# Altium PCB KeyBoard.PcbDoc (continued)
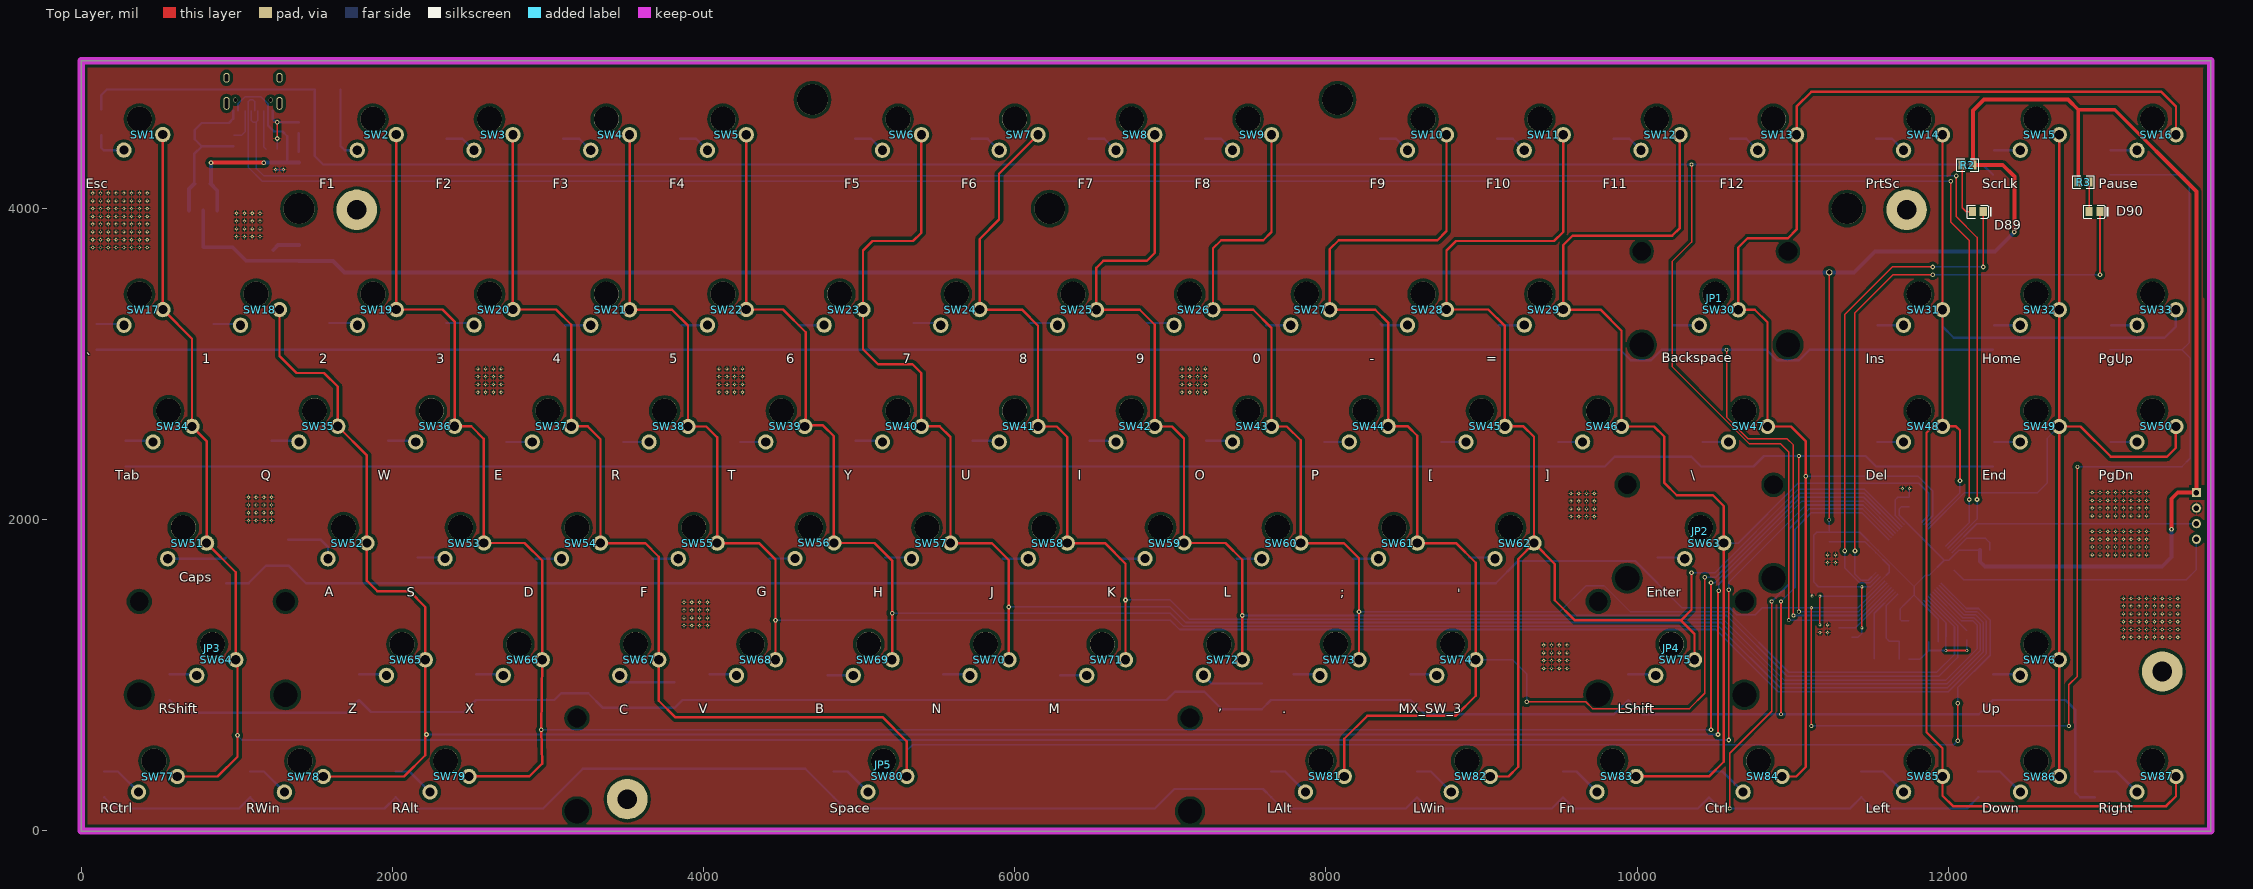
[diagram p0: Top Layer view]
## Nets (pads, with @x,y where several pads share a name; then routed paths per layer and width w, separated by ;. In a path a pad name is that pad's centre, name@x,y a point inside that pad or via, vN(x,y) a via of type N, cw(c..) or ccw(c..) an arc to the next point about the centre after c; other vN are vias at no path point)
3.3V: C2.1 C3.2 C4.2 C5.2 C6.2 C7.2 C8.2 C9.2 C10.2 JP6.1 R2.1 R3.1 R4.2 U1.1 U1.13 U1.19 U1.32 U1.48 U1.64 VR1.2 | length 24376.8
  Top Layer w10: v3(11234.76,2000) v5(11234.76,3590) ; v1(11444.76,1305) v1(11444.76,1570)
  Top Layer w25: v2(12424.76,3850) 12424.76,4205 12349.76,4280 R2.1 12159.8,4630.04 12229.76,4700 12769.76,4700 12834.72,4635.04 ; R3.1 12834.72,4635.04 ; v2(13434.76,1940) 13434.76,2135 13474.76,2175 JP6.1 13594.76,4110 13069.72,4635.04 12834.72,4635.04
  Bottom Layer w10: v3(11234.76,2000) C6.2 ; R4.2 11419.44,1244.68 11444.76,1270 v1(11444.76,1305) ; U1.13 11499.8,1570.32 C10.2 C9.2 11164.44,1570.32 11134.76,1600 11134.76,1900 11155.07,1920.32 C6.2 ; C7.2 11699.76,1350 11689.76,1360 11689.76,1426.21 U1.1 11779.76,1516.21 ; C5.2@11749.76,2084.68 11699.44,2084.68 11684.76,2070 11684.76,2028.79 U1.32 11973.55,1740 ; C8.2@11935.07,1215 11935.07,1360.89 U1.64 11779.76,1516.21 ; C4.2 12068.55,1805 U1.48 12003.55,1740 11973.55,1740 ; C6.2 11431.33,1920.32 U1.19 11779.76,1571.89 ; 11779.76,1516.21 11779.76,1571.89 ; 11779.76,1571.89 11852.87,1645 11878.55,1645 11973.55,1740
  Bottom Layer w25: VR1.2@784.76,3988.11 784.76,3751.89 972.87,3751.89 1059.8,3664.96 C3.2 C2.1@1398.22,3664.96 ; C2.1 1618.18,3663.43 1691.61,3590 v5(11234.76,3590) 11394.76,3590 11529.76,3725 12299.76,3725 v2(12424.76,3850) ; C4.2 12204.44,1730.32 12234.76,1700 13374.76,1700 13434.76,1760 v2(13434.76,1940)
5V: C1.1 J1.2 J1.11 R1.1 VR1.3 | length 1629.2
  Top Layer w25: v2(834.76,4295) v2(1174.76,4295)
  Bottom Layer w10: J1.2 1008.3,4673.54 1054.76,4720 1154.76,4720 1201.21,4673.54 J1.11
  Bottom Layer w15: C1.1 C1.1@834.76,4163.43 ; J1.11 1201.21,4533.54 1239.76,4495 1294.76,4495 1324.76,4465 1324.76,4295
  Bottom Layer w25: C1.1 875.31,4116.02 VR1.3 ; C1.1@834.76,4163.43 v2(834.76,4295) ; v2(1174.76,4295) 1324.76,4295 R1.1
BOOT0: R5.1 U1.60 | length 329.3
  Bottom Layer w10: U1.60 R5.1@12118.38,1288.94
COL1: SW1.1 SW17.1 SW34.1 SW51.1 SW64.1 SW77.1 U1.26 | length 16592.3
  Top Layer w10: v2(10589.76,585) v2(10589.76,1550)
  Top Layer w15: SW1.1 525.06,3351.1 SW17.1 712.66,3163.5 SW34.1 806.56,2506.6 SW51.1 993.66,1662.9 SW64.1 1004.76,1088.9 v2(1004.76,615) 1004.76,477.8 877.16,350.2 SW77.1
  Bottom Layer w10: v2(1004.76,615) 1003.66,615 1033.66,585 v2(10589.76,585) ; v2(10589.76,1550) 10589.76,1600 11084.76,2095 11451.51,2095 U1.26
COL2: SW18.1 SW35.1 SW52.1 SW65.1 SW78.1 U1.27 | length 14899.4
  Top Layer w10: v2(10519.76,620) 10519.76,1540 v2(10524.76,1545)
  Top Layer w15: SW18.1 1274.56,3053 1383.76,2943.8 1561.96,2943.8 1649.76,2856 SW35.1 1836.56,2413.8 SW52.1 1836.56,1608.5 1903.26,1541.8 2109.66,1541.8 2212.06,1439.4 SW65.1 2212.06,487.2 2074.76,349.9 SW78.1
  Bottom Layer w10: v2(2219.76,620) v2(10519.76,620) ; v2(10524.76,1545) 10524.76,1585 11059.76,2120 11454.35,2120 U1.27 U1.27@11660.05,1914.71
COL3: SW2.1 SW19.1 SW36.1 SW53.1 SW66.1 SW79.1 U1.28 | length 15304.1
  Top Layer w10: v2(10474.76,650) v2(10474.76,1595)
  Top Layer w15: SW2.1 2025.26,3351.1 2322.66,3351.1 2400.26,3273.5 SW36.1 2507.56,2600.6 2588.16,2520 SW53.1 2850.16,1850.5 2963.06,1737.6 SW66.1 v2(2958.06,650) 2963.06,433.2 2880.66,350.8 SW79.1
  Bottom Layer w10: v2(2958.06,650) v2(10474.76,650) ; v2(10474.76,1595) 10499.76,1595 11049.76,2145 11457.19,2145 U1.28
COL4: SW3.1 SW20.1 SW37.1 SW54.1 SW67.1 SW80.1 U1.55 | length 14565.9
  Top Layer w10: v2(12059.76,580) v2(12059.76,820)
  Top Layer w15: SW3.1 2774.86,3351.8 3051.26,3351.8 3149.86,3253.2 SW37.1 3255.46,2600.2 3337.56,2518.1 SW54.1 3625.06,1850.1 3712.16,1763 SW67.1 3712.16,837.6 3819.76,730 5152.76,730 5306.66,576.1 SW80.1
  Bottom Layer w10: SW80.1 5306.66,516.9 5344.76,555 12034.76,555 v2(12059.76,580) ; U1.55 12116.51,1430 12194.76,1430 12269.76,1355 12269.76,1130 12059.76,920 v2(12059.76,820)
COL5: SW4.1 SW21.1 SW38.1 SW55.1 SW68.1 U1.56 | length 12832.4
  Top Layer w15: SW4.1 3524.96,3350.5 3797.56,3350.5 3900.26,3247.8 SW38.1 4018.26,2600.1 4087.56,2530.8 SW55.1 4357.36,1850.1 4462.26,1745.2 v2(4462.26,1355) SW68.1
  Bottom Layer w10: v2(4462.26,1355) 6999.76,1355 7059.76,1295 10504.76,1295 10904.76,895 11999.76,895 12244.76,1140 12244.76,1350 12184.76,1410 12108.68,1410 U1.56
COL6: SW5.1 SW22.1 SW39.1 SW56.1 SW69.1 U1.57 | length 12006.4
  Top Layer w15: SW5.1 4275.06,3351.3 4510.36,3351.3 4656.56,3205.1 4656.56,2606.8 4768.36,2606.8 4837.96,2537.2 SW56.1 5099.76,1851 5212.26,1738.5 v2(5212.26,1400) SW69.1
  Bottom Layer w10: v2(5212.26,1400) 6999.76,1400 7084.76,1315 10524.76,1315 10919.76,920 11994.76,920 12224.76,1150 12224.76,1340 12174.76,1390 12100.84,1390 U1.57
COL7: SW6.1 SW23.1 SW40.1 SW57.1 SW70.1 U1.58 | length 11513.7
  Top Layer w15: SW6.1 5400.06,3845.3 5346.46,3791.7 5086.46,3791.7 5025.26,3730.5 SW23.1 5025.26,3096 5121.56,2999.7 5343.16,2999.7 5399.96,2942.9 SW40.1 5518.36,2600.2 5587.06,2531.5 SW57.1 5852.16,1850.1 5962.36,1739.9 v2(5962.36,1440) SW70.1
  Bottom Layer w10: v2(5962.36,1440) 6999.76,1440 7099.76,1340 10539.76,1340 10934.76,945 11989.76,945 12204.76,1160 12204.76,1330 12164.76,1370 12093,1370 U1.58
COL8: SW7.1 SW24.1 SW41.1 SW58.1 SW71.1 U1.59 | length 10585.4
  Top Layer w15: 5774.86,3805 SW24.1 6046.26,3350.8 6150.16,3246.9 SW41.1 6269.86,2600.1 6337.56,2532.4 SW58.1 6579.36,1850 6712.46,1716.9 v2(6712.46,1485) SW71.1 ; 5775,3805 5899.4,3929.4 5899.4,4224.14 SW7.1
  Bottom Layer w10: v2(6712.46,1485) 6999.76,1485 7124.76,1360 10554.76,1360 10944.76,970 11984.76,970 12184.76,1170 12184.76,1325 12159.76,1350 12085.16,1350 U1.59
COL9: SW8.1 SW25.1 SW42.1 SW59.1 SW72.1 U1.61 | length 9745.6
  Top Layer w15: SW8.1 6900.16,3715.4 6849.76,3665 6569.76,3665 6524.96,3620.2 SW25.1 6803.56,3350.4 6900.16,3253.8 SW42.1 7010.46,2600.1 7087.76,2522.8 SW59.1 7354.46,1850.7 7462.56,1742.6 v2(7462.56,1385) SW72.1
  Bottom Layer w10: v2(7462.56,1385) 10574.76,1385 10964.76,995 11939.76,995 12059.76,1115 12059.76,1319.73 U1.61
COL10: SW9.1 SW26.1 SW43.1 SW60.1 SW73.1 U1.62 | length 9055.8
  Top Layer w15: SW9.1 7650.26,3850.5 7596.86,3797.1 7326.86,3797.1 7274.56,3744.8 SW26.1 7533.36,3350.4 7650.26,3233.5 SW43.1 7748.46,2600.1 7837.86,2510.7 SW60.1 8114.66,1850.1 8212.16,1752.6 v2(8212.16,1410) SW73.1
  Bottom Layer w10: v2(8212.16,1410) 9504.76,1410 9669.76,1575 9789.76,1575 9954.76,1410 10584.76,1410 10974.76,1020 11924.76,1020 12039.76,1135 12039.76,1311.89 U1.62
COL11: SW10.1 SW27.1 SW44.1 SW61.1 SW74.1 SW81.1 U1.29 | length 10333.9
  Top Layer w10: v2(9289.76,830) 9670.2,830 9713.4,786.8 10336.56,786.8 10434.76,885 v2(10434.76,1630)
  Top Layer w15: SW81.1 8118.26,593 8265.16,739.9 8832.86,739.9 8962.46,869.5 SW74.1 8962.46,1724 8836.46,1850 SW61.1 8587.26,2539.8 8526.76,2600.3 SW44.1 8399.96,3267.7 8317.26,3350.4 SW27.1 8024.36,3739.6 8081.86,3797.1 8716.86,3797.1 8774.86,3855.1 SW10.1
  Bottom Layer w10: SW74.1 9199.46,1100.3 9289.76,1010 v2(9289.76,830) ; v2(10434.76,1630) 10504.76,1630 11044.76,2170 11460.03,2170 U1.29
COL12: SW11.1 SW28.1 SW45.1 SW62.1 SW75.1 SW82.1 U1.30 | length 9033.7
  Top Layer w15: SW82.1 9173.26,350.5 9235.66,412.9 9235.66,1748.5 SW62.1 ; SW11.1 9524.86,3850.1 9466.46,3791.7 8836.46,3791.7 8774.86,3730.1 SW28.1 9043.86,3351 9150.26,3244.6 SW45.1 9269.96,2600.5 9337.16,2533.3 SW62.1 ; v2(10349.76,1660) 10349.76,1421.5 10281.76,1353.5 ; SW75.1 10369.26,1266 10281.76,1353.5 ; SW62.1 9470.76,1716.4 9470.76,1483.3 9600.56,1353.5 10281.76,1353.5
  Bottom Layer w10: v2(10349.76,1660) 10499.76,1660 11034.76,2195 11462.87,2195 U1.30
COL13: SW12.1 SW29.1 SW46.1 SW63.1 SW83.1 U1.33 | length 7853.9
  Top Layer w15: SW83.1 10462.56,350.8 10556.66,444.9 SW63.1 10556.66,2087.9 10487.36,2157.2 10254.76,2157.2 10175.36,2236.6 10175.36,2533.8 10109.06,2600.1 SW46.1 9899.96,3215.4 9764.46,3350.9 SW29.1 9524.96,3765.2 9584.76,3825 10224.76,3825 10274.96,3875.2 SW12.1
  Bottom Layer w10: SW63.1 10649.76,1850 11034.76,2235 11809.76,2235 11874.76,2170 11874.76,2028.79 U1.33
COL14: SW13.1 SW16.1 SW30.1 SW47.1 SW84.1 U1.34 | length 8850.2
  Top Layer w15: SW84.1 11022.26,350.5 11084.76,413 v2(11084.76,2280) 11084.76,2503.3 10988.06,2600 SW47.1 10837.66,3269.1 10756.46,3350.3 SW30.1 10649.56,3749.8 10709.76,3810 10969.76,3810 11025.06,3865.3 SW13.1 11025.06,4655.3 11119.76,4750 13369.76,4750 13462.76,4657 SW16.1
  Bottom Layer w10: v2(11084.76,2280) 11804.76,2280 11899.76,2185 11899.76,2025.95 U1.34
COL15: SW14.1 SW31.1 SW33.1 SW48.1 SW85.1 SW87.1 U1.35 | length 8658.7
  Top Layer w15: SW31.1 SW31.1@11962.66,3350.4 ; SW48.1 11900.16,2600.4 11859.76,2560 11859.76,635 11962.76,532 SW85.1 11962.76,227 12029.76,160 13399.76,160 13463.06,223.3 SW87.1 ; SW14.1 SW31.1@11962.66,3350.4 ; v2(12074.76,2250) 12074.76,2575 12049.36,2600.4 11962.66,2600.4 SW31.1@11962.66,3350.4
  Bottom Layer w10: U1.35 12074.76,2173.11 v2(12074.76,2250)
  Bottom Layer w15: SW31.1 11962.36,3242.4 12034.76,3170 13389.76,3170 13462.56,3242.8 SW33.1
COL16: SW15.1 SW32.1 SW49.1 SW50.1 SW76.1 SW86.1 U1.36 | length 6397.9
  Top Layer w15: SW49.1 SW49.1@12713.66,2600.1 ; SW86.1 SW49.1@12713.66,2600.1 ; SW15.1@12713.66,4474.1 SW49.1@12713.66,2600.1 ; SW50.1 13462.66,2462.9 13404.76,2405 13044.76,2405 12849.66,2600.1 SW49.1@12713.66,2600.1
  Bottom Layer w10: U1.36 12104.48,2175 12574.76,2175 12634.76,2235 12634.76,2522.5 SW49.1
GND: C1.2 C2.2 C3.1 C4.1 C5.1 C6.1 C7.1 C8.1 C9.1 C10.1 C11.2 C12.2 C13.2 D88.K J1.1 J1.12 JP6.2 R5.2 R6.1 R7.1 U1.12 U1.18 U1.31 U1.47 U1.63 VR1.1 | length 4483.7
  Top Layer w10: v2(1259.8,4449.96) v2(1259.8,4555) ; v1(11174.76,1325) v1(11174.76,1510) ; v1(11984.76,1160) v1(12119.76,1160)
  Bottom Layer w10: R6.1 v2(1259.8,4449.96) ; v1(11174.76,1510) C9.1@11239.44,1510 ; C6.1 11464.12,1859.68 U1.18 11619.76,1704.05 11619.76,1662.44 U1.12 11467.01,1509.68 C10.1 C9.1 ; U1.31 11659.76,2025.95 11659.76,2130 11675.07,2145.32 11749.76,2145.32 v1(11749.76,2200) ; C11.2 11819.76,1105 11874.76,1160 ; U1.63 11985.07,1338.73 11985.07,1250 ; C8.1@11874.76,1214.68 11874.76,1160 ; 11984.76,1249.68 v1(11984.76,1160) 11874.76,1160 ; U1.47 12115.71,1880 12239.76,1880 12265.07,1854.68 C4.1 ; v1(12119.76,1160) R5.2
  Bottom Layer w15: C1.2 728.18,4353.35 774.8,4399.96 ; J1.1 976.8,4577.05 949.76,4550 774.76,4550 729.76,4505 729.76,4445 774.8,4399.96 ; R7.1 774.8,4399.96 ; J1.12 1232.71,4572.05 v2@1249.72,4555.04 ; v1(1250,4250) v1(1300,4250) ; v2(1259.8,4555) D88.K
  Bottom Layer w25: VR1.1 694.21,4126.02 C1.2 ; C3.1 1266.29,3766.57 C2.2
  other v1: 9399.76,1045 9449.76,1045 9499.76,1045 9549.76,1045 9399.76,1095 9449.76,1095 9499.76,1095 9549.76,1095 9399.76,1145 9449.76,1145 9499.76,1145 9549.76,1145 9399.76,1195 9449.76,1195 9499.76,1195 9549.76,1195 13124.76,1245 13174.76,1245 13224.76,1245 13274.76,1245 13324.76,1245 13374.76,1245 13424.76,1245 13474.76,1245 11174.76,1275 11224.76,1275 13124.76,1295 13174.76,1295 13224.76,1295 13274.76,1295 13324.76,1295 13374.76,1295 13424.76,1295 13474.76,1295 3874.76,1320 3924.76,1320 3974.76,1320 4024.76,1320 11224.76,1325 13124.76,1345 13174.76,1345 13224.76,1345 13274.76,1345 13324.76,1345 13374.76,1345 13424.76,1345 13474.76,1345 3874.76,1370 3924.76,1370 3974.76,1370 4024.76,1370 13124.76,1395 13174.76,1395 13224.76,1395 13274.76,1395 13324.76,1395 13374.76,1395 13424.76,1395 13474.76,1395 3874.76,1420 3924.76,1420 3974.76,1420 4024.76,1420 13124.76,1445 13174.76,1445 13224.76,1445 13274.76,1445 13324.76,1445 13374.76,1445 13424.76,1445 13474.76,1445 3874.76,1470 3924.76,1470 3974.76,1470 4024.76,1470 13124.76,1495 13174.76,1495 13224.76,1495 13274.76,1495 13324.76,1495 13374.76,1495 13424.76,1495 13474.76,1495 11124.76,1510 11224.76,1725 11274.76,1725 11224.76,1775 11274.76,1775 12924.76,1775 12974.76,1775 13024.76,1775 13074.76,1775 13124.76,1775 13174.76,1775 13224.76,1775 13274.76,1775 12924.76,1825 12974.76,1825 13024.76,1825 13074.76,1825 13124.76,1825 13174.76,1825 13224.76,1825 13274.76,1825 12924.76,1875 12974.76,1875 13024.76,1875 13074.76,1875 13124.76,1875 13174.76,1875 13224.76,1875 13274.76,1875 12924.76,1925 12974.76,1925 13024.76,1925 13074.76,1925 13124.76,1925 13174.76,1925 13224.76,1925 13274.76,1925 1074.76,1995 1124.76,1995 1174.76,1995 1224.76,1995 9574.76,2020 9624.76,2020 9674.76,2020 9724.76,2020 12924.76,2025 12974.76,2025 13024.76,2025 13074.76,2025 13124.76,2025 13174.76,2025 13224.76,2025 13274.76,2025 1074.76,2045 1124.76,2045 1174.76,2045 1224.76,2045 9574.76,2070 9624.76,2070 9674.76,2070 9724.76,2070 12924.76,2075 12974.76,2075 13024.76,2075 13074.76,2075 13124.76,2075 13174.76,2075 13224.76,2075 13274.76,2075 1074.76,2095 1124.76,2095 1174.76,2095 1224.76,2095 9574.76,2120 9624.76,2120 9674.76,2120 9724.76,2120 12924.76,2125 12974.76,2125 13024.76,2125 13074.76,2125 13124.76,2125 13174.76,2125 13224.76,2125 13274.76,2125 1074.76,2145 1124.76,2145 1174.76,2145 1224.76,2145 9574.76,2170 9624.76,2170 9674.76,2170 9724.76,2170 12924.76,2175 12974.76,2175 13024.76,2175 13074.76,2175 13124.76,2175 13174.76,2175 13224.76,2175 13274.76,2175 11704.76,2200 2549.76,2820 2599.76,2820 2649.76,2820 2699.76,2820 4099.76,2820 4149.76,2820 4199.76,2820 4249.76,2820 7074.76,2820 7124.76,2820 7174.76,2820 7224.76,2820 2549.76,2870 2599.76,2870 2649.76,2870 2699.76,2870 4099.76,2870 4149.76,2870 4199.76,2870 4249.76,2870 7074.76,2870 7124.76,2870 7174.76,2870 7224.76,2870 2549.76,2920 2599.76,2920 2649.76,2920 2699.76,2920 4099.76,2920 4149.76,2920 4199.76,2920 4249.76,2920 7074.76,2920 7124.76,2920 7174.76,2920 7224.76,2920 2549.76,2970 2599.76,2970 2649.76,2970 2699.76,2970 4099.76,2970 4149.76,2970 4199.76,2970 4249.76,2970 7074.76,2970 7124.76,2970 7174.76,2970 7224.76,2970 74.76,3750 124.76,3750 174.76,3750 224.76,3750 274.76,3750 324.76,3750 374.76,3750 424.76,3750 74.76,3800 124.76,3800 174.76,3800 224.76,3800 274.76,3800 324.76,3800 374.76,3800 424.76,3800 999.76,3820 1049.76,3820 1099.76,3820 1149.76,3820 74.76,3850 124.76,3850 174.76,3850 224.76,3850 274.76,3850 324.76,3850 374.76,3850 424.76,3850 999.76,3870 1049.76,3870 1099.76,3870 1149.76,3870 74.76,3900 124.76,3900 174.76,3900 224.76,3900 274.76,3900 324.76,3900 374.76,3900 424.76,3900 999.76,3920 1049.76,3920 1099.76,3920 1149.76,3920 74.76,3950 124.76,3950 174.76,3950 224.76,3950 274.76,3950 324.76,3950 374.76,3950 424.76,3950 999.76,3970 1049.76,3970 1099.76,3970 1149.76,3970 74.76,4000 124.76,4000 174.76,4000 224.76,4000 274.76,4000 324.76,4000 374.76,4000 424.76,4000 74.76,4050 124.76,4050 174.76,4050 224.76,4050 274.76,4050 324.76,4050 374.76,4050 424.76,4050 74.76,4100 124.76,4100 174.76,4100 224.76,4100 274.76,4100 324.76,4100 374.76,4100 424.76,4100
JTCK: JP6.3 U1.46 | length 1655.2
  Bottom Layer w10: U1.46 12182.87,1975 JP6.3
JTMS: JP6.4 U1.49 | length 1802.8
  Bottom Layer w10: U1.49 12098.55,1615 13529.76,1615 13594.76,1680 JP6.4
LED_CAPS: D89.K U1.14 | length 3276.1
  Top Layer w10: v2(11334.76,1800) 11334.76,3320 11639.76,3625 v2(11899.76,3625) ; v2(12224.76,3625) D89.K
  Bottom Layer w10: v2(11334.76,1800) 11334.76,1690 11429.76,1595 11496.64,1595 U1.14 ; v2(11899.76,3625) v2(12224.76,3625)
LED_SCRLK: D90.K U1.15 | length 3933.4
  Top Layer w10: v2(11399.76,1800) 11399.76,3330 11644.76,3575 v2(11899.76,3575) ; v2(12974.76,3575) D90.K
  Bottom Layer w10: v2(11399.76,1800) 11399.76,1650 11438.8,1610.95 11484.76,1610.95 U1.15 ; v2(11899.76,3575) v2(12974.76,3575)
NetD1_2: D1.2 SW1.2 | length 233.6
  Bottom Layer w15: D1.2 129.76,4390 144.16,4375.6 SW1.2
NetD2_2: D2.2 SW2.2 | length 481.7
  Bottom Layer w15: D2.2 1667.43,4402.32 1694.56,4375.2 SW2.2
NetD3_2: D3.2 SW3.2 | length 205.9
  Bottom Layer w15: D3.2 2450.94,4449.02 SW3.2
NetD4_2: D4.2 SW4.2 | length 206.1
  Bottom Layer w15: D4.2 3200.94,4449.02 SW4.2
NetD5_2: D5.2 SW5.2 | length 206.3
  Bottom Layer w15: D5.2 3951.04,4449.02 SW5.2
NetD6_2: D6.2 SW6.2 | length 206.3
  Bottom Layer w15: D6.2 5075.84,4449.02 SW6.2
NetD7_2: D7.2 SW7.2 | length 206.3
  Bottom Layer w15: D7.2 5826.04,4449.02 SW7.2
NetD8_2: D8.2 SW8.2 | length 206.3
  Bottom Layer w15: D8.2 6576.04,4449.02 SW8.2
NetD9_2: D9.2 SW9.2 | length 206.4
  Bottom Layer w15: D9.2 7326.04,4449.02 SW9.2
NetD10_2: D10.2 SW10.2 | length 206.4
  Bottom Layer w15: D10.2 8450.64,4449.02 SW10.2
NetD11_2: D11.2 SW11.2 | length 206.3
  Bottom Layer w15: D11.2 9200.64,4449.02 SW11.2
NetD12_2: D12.2 SW12.2 | length 206.3
  Bottom Layer w15: D12.2 9950.74,4449.02 SW12.2
NetD13_2: D13.2 SW13.2 | length 206.4
  Bottom Layer w15: D13.2 10700.84,4449.02 SW13.2
NetD14_2: D14.2 SW14.2 | length 208.6
  Bottom Layer w15: D14.2 11638.44,4449.02 SW14.2
NetD15_2: D15.2 SW15.2 | length 168.3
  Bottom Layer w15: D15.2@12294.53,4374.9 SW15.2
NetD16_2: D16.2 SW16.2 | length 168.4
  Bottom Layer w15: D16.2@13044.33,4375.1 SW16.2
NetD17_2: D17.2 SW17.2 | length 168
  Bottom Layer w15: D17.2 SW17.2@268.08,3258.08
NetD18_2: D18.2 SW18.2 | length 166.3
  Bottom Layer w15: D18.2 SW18.2@1017.28,3258.08
NetD19_2: D19.2 SW19.2 | length 166.9
  Bottom Layer w15: D19.2 SW19.2@1761.48,3264.88
NetD20_2: D20.2 SW20.2 | length 166.3
  Bottom Layer w15: D20.2 SW20.2@2511.78,3264.88
NetD21_2: D21.2 SW21.2 | length 164.2
  Bottom Layer w15: D21.2@3110.83,3250.4 SW21.2
NetD22_2: D22.2 SW22.2 | length 163.6
  Bottom Layer w15: D22.2@3861.13,3251 SW22.2
NetD23_2: D23.2 SW23.2 | length 163.1
  Bottom Layer w15: D23.2@4612.13,3250.9 SW23.2
NetD24_2: D24.2 SW24.2 | length 161.7
  Bottom Layer w15: D24.2 SW24.2@5510.78,3264.88
NetD25_2: D25.2 SW25.2 | length 160.5
  Bottom Layer w15: D25.2 SW25.2@6260.48,3264.88
NetD26_2: D26.2 SW26.2 | length 159.1
  Bottom Layer w15: D26.2 SW26.2@7010.08,3264.88
NetD27_2: D27.2 SW27.2 | length 158.1
  Bottom Layer w15: D27.2@7616.23,3250.4 SW27.2
NetD28_2: D28.2 SW28.2 | length 175.1
  Bottom Layer w15: D28.2 8359.73,3251 SW28.2
NetD29_2: D29.2 SW29.2 | length 164.2
  Bottom Layer w15: D29.2@9110.73,3250.9 SW29.2
NetD30_2: D30.2 SW30.2 | length 167.8
  Bottom Layer w15: D30.2@10231.73,3250.3 SW30.2
NetD31_2: D31.2 SW31.2 | length 167.9
  Bottom Layer w15: D31.2@11544.43,3250.4 SW31.2
NetD32_2: D32.2 SW32.2 | length 166.8
  Bottom Layer w15: D32.2@12295.63,3250.1 SW32.2
NetD33_2: D33.2 SW33.2 | length 166.3
  Bottom Layer w15: D33.2@13046.23,3250.4 SW33.2
NetD34_2: D34.2 SW34.2 | length 168.4
  Bottom Layer w15: D34.2 SW34.2@455.48,2507.68
NetD35_2: D35.2 SW35.2 | length 168.6
  Bottom Layer w15: D35.2 SW35.2@1392.68,2507.68
NetD36_2: D36.2 SW36.2 | length 178.2
  Bottom Layer w15: D36.2 2143.18,2507.68 SW36.2
NetD37_2: D37.2 SW37.2 | length 166.5
  Bottom Layer w15: D37.2@2733.33,2500.2 SW37.2
NetD38_2: D38.2 SW38.2 | length 165.9
  Bottom Layer w15: D38.2@3484.33,2500.1 SW38.2
NetD39_2: D39.2 SW39.2 | length 165.4
  Bottom Layer w15: D39.2@4234.83,2500.5 SW39.2
NetD40_2: D40.2 SW40.2 | length 163.9
  Bottom Layer w15: D40.2 SW40.2@5142.48,2507.68
NetD41_2: D41.2 SW41.2 | length 163.1
  Bottom Layer w15: D41.2 SW41.2@5892.58,2507.68
NetD42_2: D42.2 SW42.2 | length 162.2
  Bottom Layer w15: D42.2 SW42.2@6642.58,2507.68
NetD43_2: D43.2 SW43.2 | length 161.4
  Bottom Layer w15: D43.2 SW43.2@7392.68,2507.68
NetD44_2: D44.2 SW44.2 | length 160.4
  Bottom Layer w15: D44.2@7989.53,2500.3 SW44.2
NetD45_2: D45.2 SW45.2 | length 160
  Bottom Layer w15: D45.2@8740.23,2500.5 SW45.2
NetD46_2: D46.2 SW46.2 | length 158.4
  Bottom Layer w15: D46.2@9491.53,2500.1 SW46.2
NetD47_2: D47.2 SW47.2 | length 167.7
  Bottom Layer w15: D47.2@10419.93,2500 SW47.2
NetD48_2: D48.2 SW48.2 | length 168.1
  Bottom Layer w15: D48.2@11544.33,2500.4 SW48.2
NetD49_2: D49.2 SW49.2 | length 167.9
  Bottom Layer w15: D49.2@12294.43,2500.1 SW49.2
NetD50_2: D50.2 SW50.2 | length 168
  Bottom Layer w15: D50.2@13044.63,2500.1 SW50.2
NetD51_2: D51.2 SW51.2 | length 378.5
  Bottom Layer w15: SW51.2 924.88,1750 D51.2
NetD52_2: D52.2 SW52.2 | length 348.6
  Bottom Layer w15: D52.2 1540.88,1871.08 1586.56,1825.4 SW52.2
NetD53_2: D53.2 SW53.2 | length 169.1
  Bottom Layer w15: D53.2 SW53.2@2331.48,1757.18
NetD54_2: D54.2 SW54.2 | length 167.2
  Bottom Layer w15: D54.2@2920.33,1750.1 SW54.2
NetD55_2: D55.2 SW55.2 | length 166.3
  Bottom Layer w15: D55.2@3671.23,1750.1 SW55.2
NetD56_2: D56.2 SW56.2 | length 166.7
  Bottom Layer w15: D56.2@4421.23,1751 SW56.2
NetD57_2: D57.2 SW57.2 | length 164
  Bottom Layer w15: D57.2 SW57.2@5329.98,1757.18
NetD58_2: D58.2 SW58.2 | length 163.5
  Bottom Layer w15: D58.2@5924.03,1750 SW58.2
NetD59_2: D59.2 SW59.2 | length 163.5
  Bottom Layer w15: D59.2@6674.23,1750.7 SW59.2
NetD60_2: D60.2 SW60.2 | length 162.1
  Bottom Layer w15: D60.2@7425.73,1750.1 SW60.2
NetD61_2: D61.2 SW61.2 | length 160.5
  Bottom Layer w15: D61.2@8176.73,1750 SW61.2
NetD62_2: D62.2 SW62.2 | length 159.5
  Bottom Layer w15: D62.2 SW62.2@9079.98,1757.18
NetD63_2: D63.2 SW63.2 | length 168.4
  Bottom Layer w15: D63.2 SW63.2@10299.48,1757.18
NetD64_2: D64.2 SW64.2 | length 168.4
  Bottom Layer w15: D64.2 SW64.2@736.68,1006.98
NetD65_2: D65.2 SW65.2 | length 168.6
  Bottom Layer w15: D65.2 SW65.2@1955.08,1006.98
NetD66_2: D66.2 SW66.2 | length 168.8
  Bottom Layer w15: D66.2 SW66.2@2706.18,1006.98
NetD67_2: D67.2 SW67.2 | length 369.5
  Bottom Layer w15: SW67.2 3505.48,956.68 D67.2
NetD68_2: D68.2 SW68.2 | length 166.1
  Bottom Layer w15: D68.2 SW68.2@4205.28,1006.98
NetD69_2: D69.2 SW69.2 | length 165.3
  Bottom Layer w15: D69.2@4796.93,1000.1 SW69.2
NetD70_2: D70.2 SW70.2 | length 164.5
  Bottom Layer w15: D70.2 SW70.2@5705.48,1006.98
NetD71_2: D71.2 SW71.2 | length 170.6
  Bottom Layer w15: D71.2@6291.86,1000 SW71.2
NetD72_2: D72.2 SW72.2 | length 397
  Bottom Layer w15: SW72.2 7265.28,947.68 D72.2
NetD73_2: D73.2 SW73.2 | length 161.7
  Bottom Layer w15: D73.2 SW73.2@7955.38,1006.98
NetD74_2: D74.2 SW74.2 | length 161.2
  Bottom Layer w15: D74.2 SW74.2@8705.78,1006.98
NetD75_2: D75.2 SW75.2 | length 169.1
  Bottom Layer w15: D75.2 SW75.2@10112.58,1006.98
NetD76_2: D76.2 SW76.2 | length 169.5
  Bottom Layer w15: D76.2 SW76.2@12456.18,1006.98
NetD77_2: D77.2 SW77.2 | length 274.5
  Bottom Layer w15: D77.2 235.98,382.68 SW77.2
NetD78_2: D78.2 SW78.2 | length 275.2
  Bottom Layer w15: D78.2 1173.58,382.68 SW78.2
NetD79_2: D79.2 SW79.2 | length 274.7
  Bottom Layer w15: D79.2 2110.78,382.68 SW79.2
NetD80_2: D80.2 SW80.2 | length 274.7
  Bottom Layer w15: D80.2 4924.78,382.68 SW80.2
NetD81_2: D81.2 SW81.2 | length 274
  Bottom Layer w15: D81.2 7736.38,382.68 SW81.2
NetD82_2: D82.2 SW82.2 | length 274.5
  Bottom Layer w15: D82.2 8673.38,382.68 SW82.2
NetD83_2: D83.2 SW83.2 | length 273.5
  Bottom Layer w15: D83.2 9610.88,382.68 SW83.2
NetD84_2: D84.2 SW84.2 | length 273.7
  Bottom Layer w15: D84.2 10549.28,382.68 SW84.2
NetD85_2: D85.2 SW85.2 | length 326.5
  Bottom Layer w15: D85.2 11580.88,382.68 SW85.2
NetD86_2: D86.2 SW86.2 | length 326.7
  Bottom Layer w15: D86.2 12331.18,382.68 SW86.2
NetD87_2: D87.2 SW87.2 | length 326.3
  Bottom Layer w15: D87.2 13080.88,382.68 SW87.2
NetD88_A: D88.A R1.2 | length 119.9
  Bottom Layer w15: R1.2 D88.A
NetD89_A: D89.A R2.2 | length 350.3
  Top Layer w10: R2.2 12089.76,4005 12114.76,3980 D89.A
NetD90_A: D90.A R3.2 | length 189.9
  Top Layer w10: D90.A R3.2@12904.72,4169.92
NetJ1_4: J1.4 R7.2 | length 219.8
  Bottom Layer w10: R7.2 1029.8,4470.04 1055.54,4495.79 J1.4
NetJ1_10: J1.10 R6.2 | length 255.8
  Bottom Layer w10: J1.10 1173.65,4396.06 R6.2
OSC_IN: C11.1 U1.5 Y1.2 | length 519.9
  Bottom Layer w10: U1.5 11599.76,1447.56 11599.76,1240 11620.78,1218.98 11684.44,1218.98 C11.1
OSC_OUT: C12.1 U1.6 Y1.1 | length 486
  Bottom Layer w10: C12.1@11524.05,1106.02 Y1.1 11524.05,1399.69 U1.6
PA2: U1.16
PA3: U1.17
PA4: U1.20
PA5: U1.21
PA6: U1.22
PA7: U1.23
PA8: U1.41
PA9: U1.42
PA10: U1.43
PA15: U1.50
PC6: U1.37
PC7: U1.38
PC8: U1.39
PC9: U1.40
PC10: U1.51
PC11: U1.52
PC12: U1.53
PC13: U1.2
PC14: U1.3
PC15: U1.4
PD2: U1.54
ROW1: D1.1 D2.1 D3.1 D4.1 D5.1 D6.1 D7.1 D8.1 D9.1 D10.1 D11.1 D12.1 D13.1 D14.1 D15.1 U1.8 | length 16893.4
  Top Layer w10: v3(10349.76,4283.66) 10349.76,3785 10224.76,3660 10224.76,2985 10719.76,2490 10919.76,2490 10974.76,2435 v3(10974.76,1355)
  Bottom Layer w10: v3(10974.76,1355) 11423.68,1355 U1.8
  Bottom Layer w15: D1.1 129.76,4730 164.76,4765 D2.1 1502.08,4337.68 1556.1,4283.66 D3.1 D4.1 D5.1 D6.1 D7.1 D8.1 D9.1 D10.1 D11.1 D12.1 D13.1 D14.1 12220.42,4283.66 D15.1
ROW2: D17.1 D18.1 D19.1 D20.1 D21.1 D22.1 D23.1 D24.1 D25.1 D26.1 D27.1 D28.1 D29.1 D30.1 D31.1 D32.1 U1.9 | length 15025.3
  Top Layer w10: v3(10574.76,3092.72) 10574.76,2660 10714.76,2520 10964.76,2520 11004.76,2480 v3(11004.76,1385)
  Bottom Layer w10: v3(11004.76,1385) 11425.84,1385 U1.9
  Bottom Layer w15: D17.1 D18.1 D28.1 D29.1 9892.03,3092.72 9959.76,3025 10089.76,3025 10157.48,3092.72 D30.1 v3(10574.76,3092.72) 10832.03,3092.72 10899.76,3025 11039.76,3025 11107.48,3092.72 D31.1 D32.1
ROW3: D34.1 D35.1 D36.1 D37.1 D38.1 D39.1 D40.1 D41.1 D42.1 D43.1 D44.1 D45.1 D46.1 D47.1 D48.1 D49.1 U1.10 | length 13747.5
  Top Layer w10: v3(11039.76,1410) v3(11039.76,2410)
  Bottom Layer w10: v3(11039.76,1410) 11423,1410 U1.10
  Bottom Layer w15: D34.1 D35.1 D36.1 D37.1 D38.1 D39.1 D40.1 D41.1 D42.1 D43.1 D44.1 D45.1 D46.1 9792.08,2342.32 9854.76,2405 10349.58,2405 D47.1 10747.08,2342.32 10814.76,2410 v3(11039.76,2410) 11469.38,2410 D48.1 D49.1
ROW4: D16.1 D33.1 D50.1 D51.1 D52.1 D53.1 D54.1 D55.1 D56.1 D57.1 D58.1 D59.1 D60.1 D61.1 D62.1 D63.1 U1.11 | length 18702.2
  Top Layer w10: v3(11119.76,675) v1(11119.76,1435) ; v3(12774.76,675) 12774.76,940 12829.76,995 v3(12829.76,2340)
  Bottom Layer w10: D63.1 10287.88,1435 10594.76,1435 10639.76,1390 10759.76,1390 10804.76,1435 v1(11119.76,1435) 11420.16,1435 U1.11 ; v3(11119.76,675) v3(12774.76,675) ; v3(12829.76,2340) D50.1@13034.73,2340 ; D16.1 13499.76,4217.12 13549.76,4167.12 13549.76,3140 13502.48,3092.72 ; D50.1 13502.08,2342.32 13554.76,2395 13554.76,3040.45 13502.48,3092.72 ; D33.1 13502.48,3092.72
  Bottom Layer w15: D51.1 1076.58,1591.82 1190.48,1705.72 D52.1 1446.06,1591.82 D53.1 D54.1 D55.1 D56.1 D57.1 D58.1 D59.1 D60.1 D61.1 D62.1 9091.58,1591.82 9234.76,1735 9987.88,1735 D63.1
ROW5: D64.1 D65.1 D66.1 D67.1 D68.1 D69.1 D70.1 D71.1 D72.1 D73.1 D74.1 D75.1 D76.1 D87.1 U1.24 | length 15341.8
  Top Layer w10: v3(10924.76,750) v3(10924.76,1475)
  Bottom Layer w10: v3(10924.76,1475) 11014.76,1565 11014.76,1940 11119.76,2045 11445.84,2045 U1.24
  Bottom Layer w15: D64.1 649.88,760 1704.83,760 D65.1 1863.08,765 2460.73,765 D66.1 3041.38,841.62 3084.76,885 3259.76,885 3353.43,791.32 D67.1 3864.06,841.62 D68.1 D69.1 D70.1 D71.1 6976.38,841.62 7029.76,895 7219.76,895 7332.43,782.32 D72.1 7647.06,841.62 D73.1 D74.1 8636.18,750 9851.83,750 D75.1 10035.08,750 v3(10924.76,750) 12195.03,750 D76.1 12753.13,841.62 12814.76,780 12814.76,250 12847.43,217.32 D87.1
ROW6: D77.1 D78.1 D79.1 D80.1 D81.1 D82.1 D83.1 D84.1 D85.1 D86.1 U1.25 | length 15516.9
  Top Layer w10: v3(10594.76,145) 10594.76,500 10864.76,770 v3(10864.76,1475)
  Bottom Layer w10: v3(10864.76,1475) 10974.76,1585 10974.76,1940 11104.76,2070 11448.68,2070 U1.25
  Bottom Layer w15: D77.1 221.18,145 1013.83,145 D78.1 1158.48,145 1950.23,145 D79.1 2094.88,145 2969.76,145 3224.76,400 4653.88,400 D80.1 4908.88,145 6899.76,145 7024.76,270 7596.18,270 D81.1 7721.18,145 8513.43,145 D82.1 8658.08,145 9451.53,145 D83.1 9596.18,145 10390.13,145 D84.1 10534.78,145 v3(10594.76,145) 11368.53,145 D85.1 11513.18,145 12119.53,145 D86.1
RST: C13.1 R4.1 U1.7 | length 452.6
  Bottom Layer w10: C13.1 R4.1 11401.83,1305.31 U1.7
USB_D+: J1.6 J1.8 U1.45 | length 13944.3
  Top Layer w10: v2(12050,4210) 12050,3950.24 12049.76,3950 12184.76,3815 v2(12184.76,2130)
  Bottom Layer w10: J1.6 1094.91,4564.84 1104.76,4555 1124.76,4555 ; J1.8 1134.28,4564.53 1124.76,4555 ; U1.45 12184.76,2004.73 v2(12184.76,2130) ; v2(12050,4210) 1174.76,4210 1124.76,4260 1124.76,4555
USB_D-: J1.5 J1.7 U1.44 | length 13968.1
  Top Layer w10: v2(12015,4175) 12015,3915.24 12014.76,3915 12134.76,3795 v2(12134.76,2130)
  Bottom Layer w10: J1.7 1114.6,4690.16 1104.76,4700 1084.76,4700 1075.23,4690.47 J1.5 1075.23,4264.53 1164.76,4175 v2(12015,4175) ; U1.44 12134.76,1982.56 v2(12134.76,2130)
pads on no net: J1.0 J1.3 J1.9 JP1.0 JP1.1 JP1.3 JP1.4 JP2.0 JP2.1 JP2.3 JP2.4 JP3.0 JP3.1 JP3.3 JP3.4 JP4.0 JP4.1 JP4.3 JP4.4 JP5.0 JP5.1 JP5.3 JP5.4 SW1. SW2. SW3. SW4. SW5. SW6. SW7. SW8. SW9. SW10. SW11. SW12. SW13. SW14. SW15. SW16. SW17. SW18. SW19. SW20. SW21. SW22. SW23. SW24. SW25. SW26. SW27. SW28. SW29. SW30. SW31. SW32. SW33. SW34. SW35. SW36. SW37. SW38. SW39. SW40. SW41. SW42. SW43. SW44. SW45. SW46. SW47. SW48. SW49. SW50. SW51. SW52. SW53. SW54. SW55. SW56. SW57. SW58. SW59. SW60. SW61. SW62. SW63. SW64. SW65. SW66. SW67. SW68. SW69. SW70. SW71. SW72. SW73. SW74. SW75. SW76. SW77. SW78. SW79. SW80. SW81. SW82. SW83. SW84. SW85. SW86. SW87.
copper on no net:
  other v4: 990.98,4696.89 1218.54,4696.89

## Polygon pours and split planes (outlines as drawn)
GND on Top Layer "GND_L01_P028" (solid, remove dead copper, pour order 28): 13687.52,4950 13635,4897.48 13635,4725 13635,3430 13710,3355 13687.52,3332.52 13687.52,0 0,0 0,4950
GND on Bottom Layer "GND_L02_P030" (solid, remove dead copper, pour order 30): 0,4950 0,0 13687.52,0 13687.52,4950

## Keep-outs
Keep-Out Layer:
  lines w47.24: 0,0 0,4950 13687.52,4950 13687.52,0 0,0

## Silkscreen, mask and mechanical layers (free items; w line width, h text height)
Bottom Overlay:
  text "Designed by DarkBlue" at 13555,1665 h120
  text "http://www.blueschwarz.top" at 13550,1545 h120
Mechanical 1:
  drawing of 512 lines, arcs and shapes, not listed